# Altium PCB dvrk-s-pwm.PcbDoc (part 2 of 5) (continued)
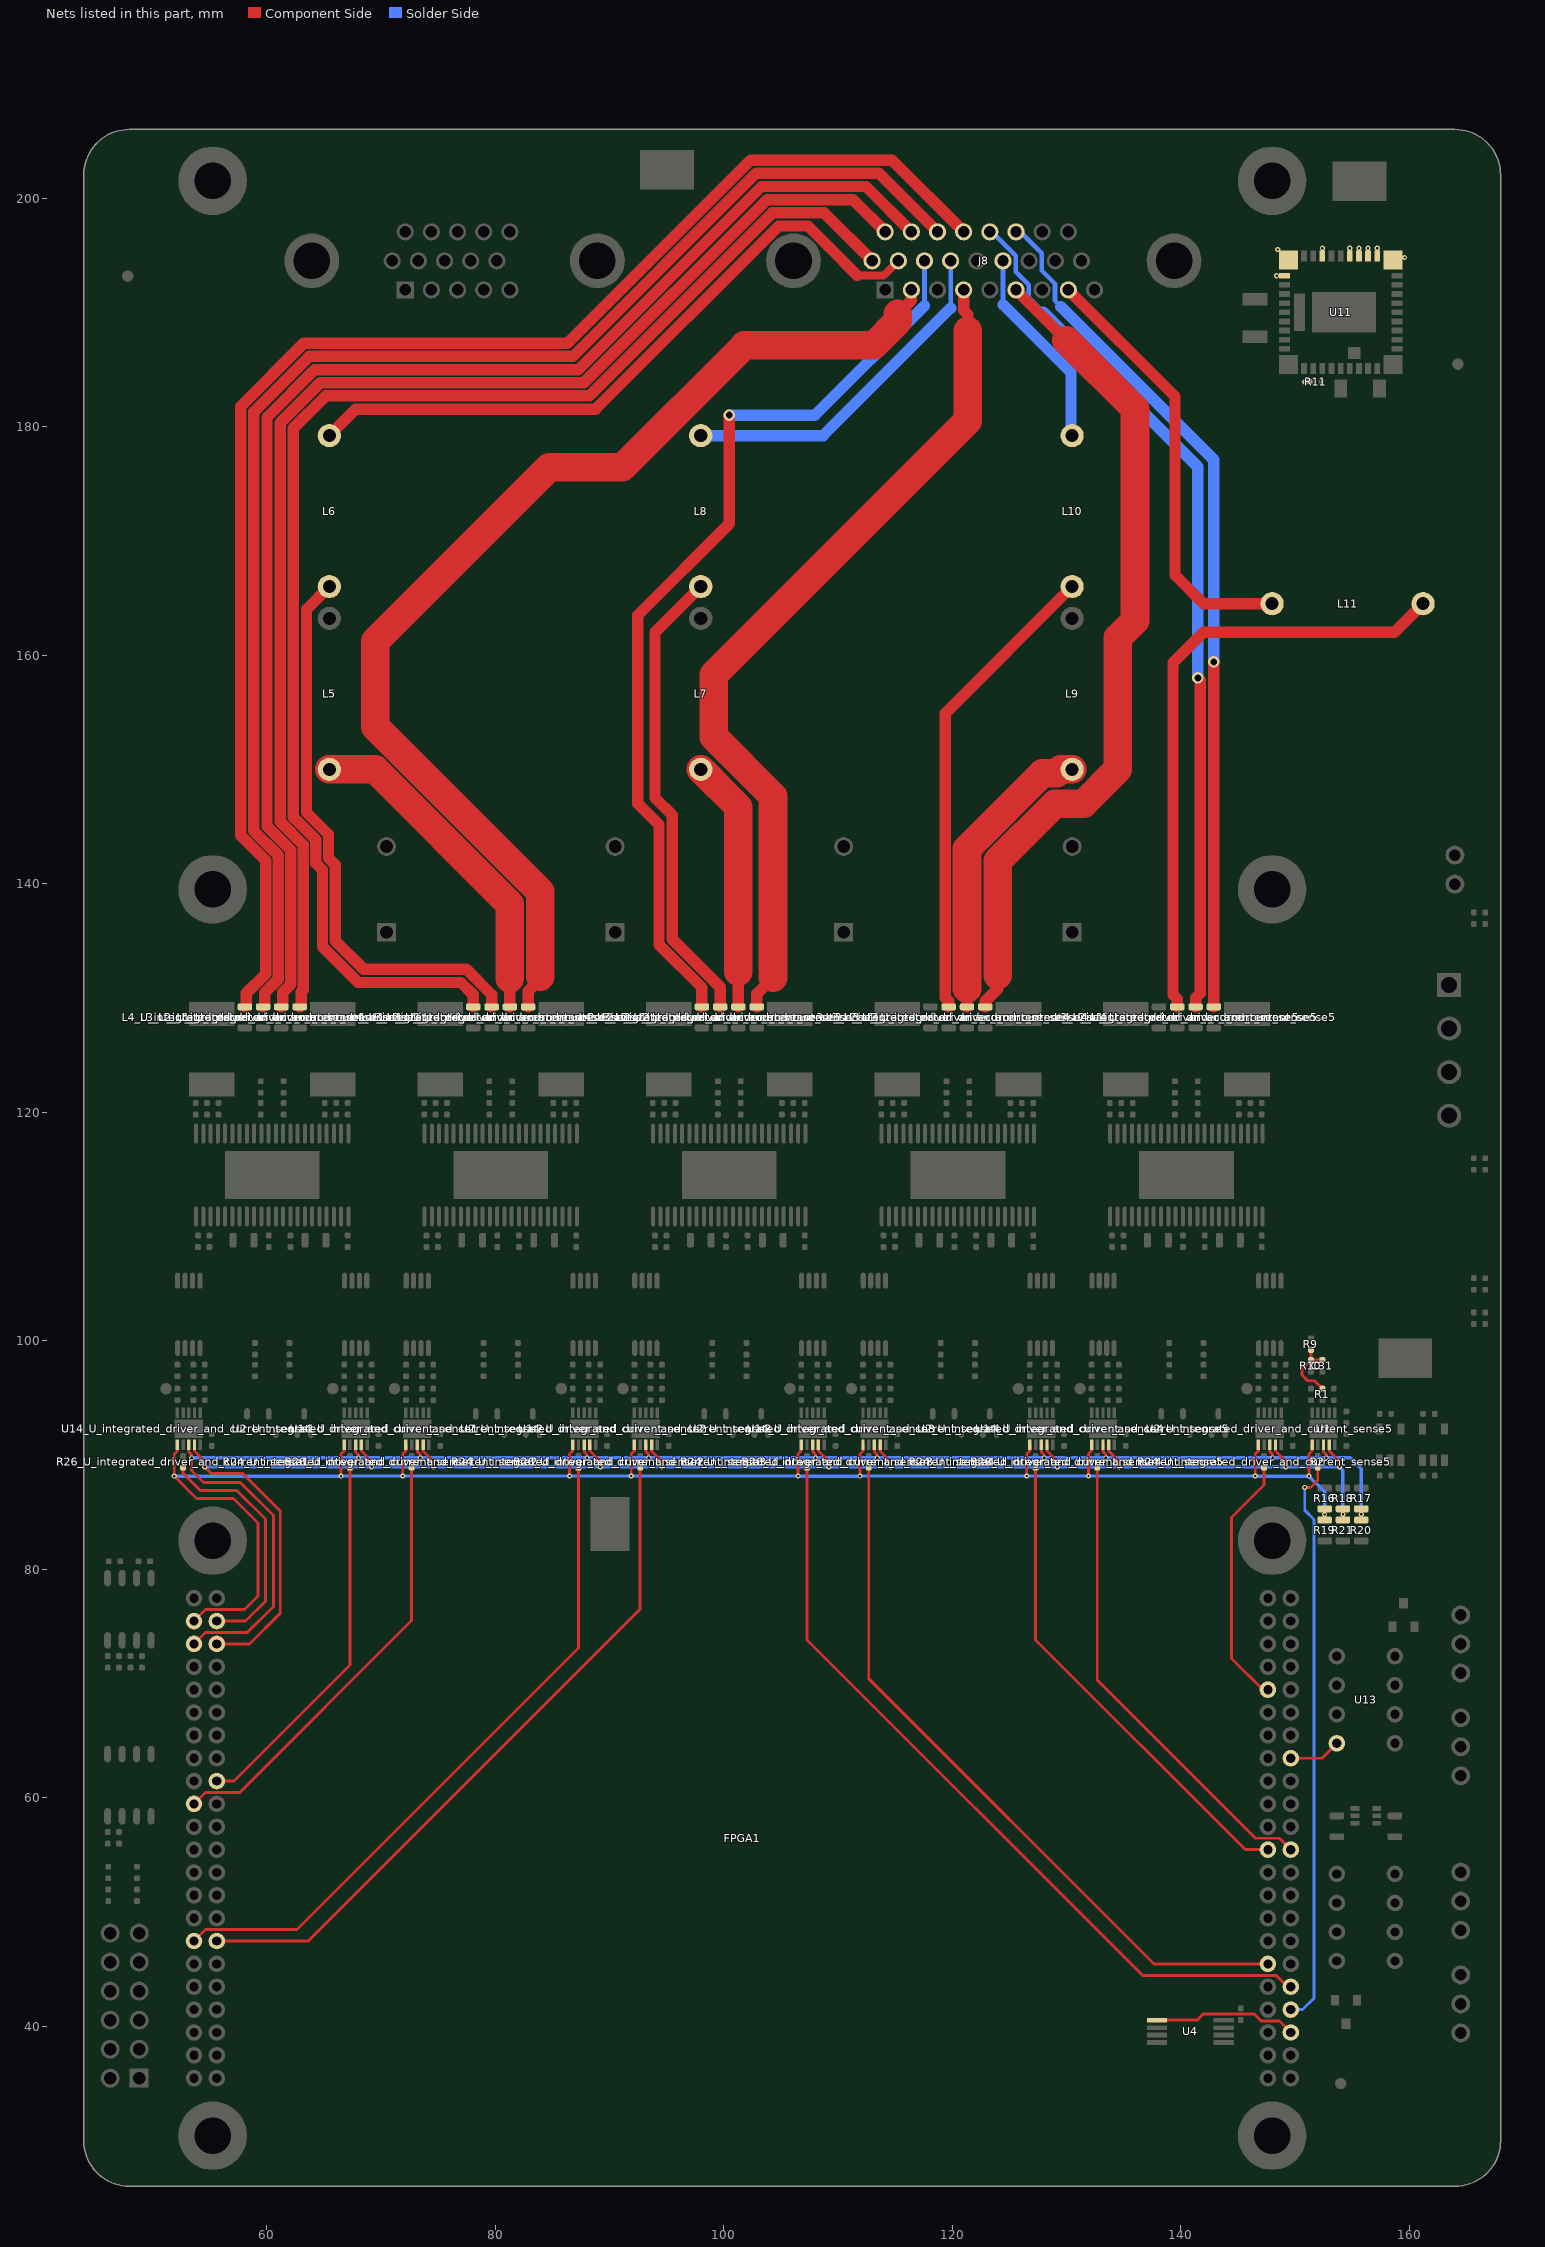
[diagram p4: the nets of this part, all layers, seen from the top]
## Part data (continued)
J8: library part 618026325223, "WR-DSUB Female High Density Angled PCB Connector without Hex Screw, 26p", ComponentLink1Description=Manufacturer, ComponentLink1URL=http://www.we-online.de, ComponentLink2Description=Datasheet, ComponentLink2URL=http://katalog.we-online.de/em/datasheet/6180xx325223.pdf, PartNumber=618026325223, PinNumber=26, Published="June 2016", Publisher="Wurth Elektronik", system=connector
J9: library part 61301221121, "Pin Header WR-PHD, pitch 2.54 mm, THT, Vertical, dual row, 12 pin", Contact Resistance="20 mOhm", Insulation Resistance=">1000 MOhm", Operating Temperature="-40 to 105 degC", Rated Current="3 A", Working Voltage="250 VAC", ComponentLink1Description=Manufacturer, ComponentLink1URL=http://www.we-online.de, ComponentLink2Description=Datasheet, ComponentLink2URL=http://katalog.we-online.de/em/datasheet/6130xx21121.pdf, Mounting Technology=THT, Orientation=Vertical, Part Number=61301221121, Pin Number=12, Pitch="2.54 mm", Published Date="Jan. 2018", Publisher="Wurth Elektronik", Row Number=Dual
L1_U_integrated_driver_and_current_sense1 L1_U_integrated_driver_and_current_sense2 L1_U_integrated_driver_and_current_sense3 L1_U_integrated_driver_and_current_sense4 L1_U_integrated_driver_and_current_sense5 L2_U_integrated_driver_and_current_sense1 L2_U_integrated_driver_and_current_sense2 L2_U_integrated_driver_and_current_sense3 L2_U_integrated_driver_and_current_sense4 L2_U_integrated_driver_and_current_sense5 L3_U_integrated_driver_and_current_sense1 L3_U_integrated_driver_and_current_sense2 L3_U_integrated_driver_and_current_sense3 L3_U_integrated_driver_and_current_sense4 L3_U_integrated_driver_and_current_sense5 L4_U_integrated_driver_and_current_sense1 L4_U_integrated_driver_and_current_sense2 L4_U_integrated_driver_and_current_sense3 L4_U_integrated_driver_and_current_sense4 L4_U_integrated_driver_and_current_sense5: "Inductor", Case/Package=0805, Case Code (Metric)=2012, Current Rating=6A, DC Resistance (DCR)=10mR, Manufacturer=TDK, Manufacturer Part Number=MPZ2012S300AT000, Package Quantity=1, Supplier Part Number 1=445-1566-6-ND, Case Code (Imperial)=0805, ComponentLink1Description=https://datasheet.ciiva.com/46381/1750041-46381644.pdf, ComponentLink1URL=https://datasheet.ciiva.com/46381/1750041-46381644.pdf, ComponentLink2Description=https://datasheet.ciiva.com/48682/beads-commercial-power-mpz-en-48682508.pdf, ComponentLink2URL=https://datasheet.ciiva.com/48682/beads-commercial-power-mpz-en-48682508.pdf, ComponentLink3Description=https://datasheet.ciiva.com/8077/55169-8077085.pdf, ComponentLink3URL=https://datasheet.ciiva.com/8077/55169-8077085.pdf, ComponentLink4Description=https://datasheet.ciiva.com/8077/55169-8077086.pdf, ComponentLink4URL=https://datasheet.ciiva.com/8077/55169-8077086.pdf, ComponentLink5Description=https://datasheet.ciiva.com/46634/beads-commercial-power-mpz-en-46634590.pdf, ComponentLink5URL=https://datasheet.ciiva.com/46634/beads-commercial-power-mpz-en-46634590.pdf, ComponentLink6Description=https://datasheet.ciiva.com/46634/beads-commercial-power-mpz-en-46634367.pdf, ComponentLink6URL=https://datasheet.ciiva.com/46634/beads-commercial-power-mpz-en-46634367.pdf, Core Material=Ferrite, Depth=1.25mm, Height=0.041inch, Impedance=30R, Lead Free="Lead Free", Length=0.079inch, Max DC Current=6A, Mount="Surface Mount", Number of Pins=3, Packaging="Tape and Reel", Pricing 1="1=0.11, 10=0.091, 25=0.0704, 50=0.0584, 100=0.0503, 250=0.04028, 500=0.03624, 1000=0.0302 (USD)", REACH SVHC="No SVHC", Stock 1=117704, Supplier 1=Digi-Key, Width=0.049inch
L5 L6 L7 L8 L9 L10 L11: library part Ind_0805, "Inductor"
Q1: library part MOSFET-N-DUAL6
R1 R23_U_integrated_driver_and_current_sense1 R23_U_integrated_driver_and_current_sense2 R23_U_integrated_driver_and_current_sense3 R23_U_integrated_driver_and_current_sense4 R23_U_integrated_driver_and_current_sense5 R25_U_integrated_driver_and_current_sense1 R25_U_integrated_driver_and_current_sense2 R25_U_integrated_driver_and_current_sense3 R25_U_integrated_driver_and_current_sense4 R25_U_integrated_driver_and_current_sense5: "RES, 0, 5%, 0.063 W, 0402", Manufacturer=Vishay-Dale, Power_W=0.063, Supplier Part Number 1=541-0.0JCT-ND, TempCo="200 ppm/C", Tolerance_%=5, Value1=5%, Value2=0.063W, Value_Code=0000, ValueDisplayed=0, AEC Category=Q200, AEC Qualified=?, ComponentLink1Description="Datasheet link", ComponentLink1URL=http://www.vishay.com/docs/20035/dcrcwe3.pdf, CompType=Resistor, EIA_Code=E24, LatestRevisionDate=2016-07-14, MountType=SMT, PackageReference=0402, PartNumber=CRCW04020000Z0ED, Published=2008-06-26, Publisher="Texas Instruments", Res_ohm=0, RoHS=Y, SizeArea_mm2=0.5, SizeX_mm=1, SizeY_mm=0.5, SizeZ_mm=0.6, Supplier 1=Digi-Key, Supplier 2=Mouser, Supplier 3=Farnell, Supplier Part Number 2=71-CRCW0402-0-E3, Supplier Part Number 3=1469661, SymbolVersion=2009-05-29, Technology="Thick Film", U/M=EA, VDC_V=50
R2 R3_U_integrated_driver_and_current_sense1 R3_U_integrated_driver_and_current_sense2 R3_U_integrated_driver_and_current_sense3 R3_U_integrated_driver_and_current_sense4 R3_U_integrated_driver_and_current_sense5 R4_U_integrated_driver_and_current_sense1 R4_U_integrated_driver_and_current_sense2 R4_U_integrated_driver_and_current_sense3 R4_U_integrated_driver_and_current_sense4 R4_U_integrated_driver_and_current_sense5 R5_U_integrated_driver_and_current_sense1 R5_U_integrated_driver_and_current_sense2 R5_U_integrated_driver_and_current_sense3 R5_U_integrated_driver_and_current_sense4 R5_U_integrated_driver_and_current_sense5 R6 R7 R9 R10 R11 R12 R13 R14 R15 R16 R17 R18 R19 R20 R21 R24_U_integrated_driver_and_current_sense1 R24_U_integrated_driver_and_current_sense2 R24_U_integrated_driver_and_current_sense3 R24_U_integrated_driver_and_current_sense4 R24_U_integrated_driver_and_current_sense5 R26_U_integrated_driver_and_current_sense1 R26_U_integrated_driver_and_current_sense2 R26_U_integrated_driver_and_current_sense3 R26_U_integrated_driver_and_current_sense4 R26_U_integrated_driver_and_current_sense5 R27_U_integrated_driver_and_current_sense1 R27_U_integrated_driver_and_current_sense2 R27_U_integrated_driver_and_current_sense3 R27_U_integrated_driver_and_current_sense4 R27_U_integrated_driver_and_current_sense5 R28_U_integrated_driver_and_current_sense1 R28_U_integrated_driver_and_current_sense2 R28_U_integrated_driver_and_current_sense3 R28_U_integrated_driver_and_current_sense4 R28_U_integrated_driver_and_current_sense5 R29 R30 R31 R32 R33 R34: "Resistor"
R8_U_integrated_driver_and_current_sense1 R8_U_integrated_driver_and_current_sense2 R8_U_integrated_driver_and_current_sense3 R8_U_integrated_driver_and_current_sense4 R8_U_integrated_driver_and_current_sense5 R22_U_integrated_driver_and_current_sense1 R22_U_integrated_driver_and_current_sense2 R22_U_integrated_driver_and_current_sense3 R22_U_integrated_driver_and_current_sense4 R22_U_integrated_driver_and_current_sense5: "RES, 0.005, 1%, 3 W, AEC-Q200 Grade 0, 2512", Manufacturer=Bourns, Power_W=3, Supplier Part Number 1=CRE2512-FZ-R005E-3CT-ND, TempCo="75 ppm/C", Tolerance_%=1, Value1=1%, Value2=3W, Value_Code=5L000, ValueDisplayed=0.005, AEC Category=Q200, AEC Grade=0, AEC Qualified=Y, ComponentLink1Description="Datasheet link", ComponentLink1URL=http://www.bourns.com/docs/Product-Datasheets/CRE.pdf, CompType=Resistor, EIA_Code=E96, LatestRevisionDate=2016-06-02, MountType=SMT, PackageReference=2512, PartNumber=CRE2512-FZ-R005E-3, Published=2008-06-26, Publisher="Texas Instruments", Res_ohm=0.005, RoHS=Y, SizeArea_mm2=21.6075, SizeX_mm=6.45, SizeY_mm=3.35, SizeZ_mm=0.9, Supplier 1=Digi-Key, Supplier 2=Mouser, Supplier 3=Farnell, Supplier Part Number 2=652-CRE2512FZR005E-3, Supplier Part Number 3=2434014, SymbolVersion=2009-05-29, Technology="Metal Film", U/M=EA
TP1 TP2 TP3 TP4: "Test Point, Compact, SMT", Manufacturer=Keystone, Supplier Part Number 1=36-5016TR-ND, ComponentLink1Description="Datasheet URL", ComponentLink1URL=http://www.keyelco.com/userAssets/store/files/5016.PDF, CompType="Test Point Loop", LatestRevisionDate=2016-09-14, MountType=SMT, PackageReference=Testpoint_Keystone_Compact, PartNumber=5016, Publisher="Texas Instruments", RoHS=Y, Supplier 1=Digi-Key, Supplier 2=Mouser, Supplier Part Number 2=534-5016, SymbolVersion=2008-04-04
U1 U2_U_integrated_driver_and_current_sense1 U2_U_integrated_driver_and_current_sense2 U2_U_integrated_driver_and_current_sense3 U2_U_integrated_driver_and_current_sense4 U2_U_integrated_driver_and_current_sense5 U14_U_integrated_driver_and_current_sense1 U14_U_integrated_driver_and_current_sense2 U14_U_integrated_driver_and_current_sense3 U14_U_integrated_driver_and_current_sense4 U14_U_integrated_driver_and_current_sense5: "16-Bit, 2 MSPS/1 MSPS/500 kSPS, / Precision, Pseudo Differential, SAR ADCs", RefDes=RefDes, Type=Type
U3_U_integrated_driver_and_current_sense1 U3_U_integrated_driver_and_current_sense2 U3_U_integrated_driver_and_current_sense3 U3_U_integrated_driver_and_current_sense4 U3_U_integrated_driver_and_current_sense5: "Dual Full-Bridge PWM Motor Driver", Manufacturer="Texas Instruments", Built_By=EMA_UL_Team, Manufacturer_Part_Number=DRV8412DDW, RefDes=RefDes, Type=DEV, Vendor="Texas Instruments"
U5: "lvds rx", Case/Package=SOIC, Manufacturer="Texas Instruments", Manufacturer Part Number=SN65LVDS34DR, Max Input Current=75uA, Max Operating Temperature=85°C, Max Power Dissipation=950mW, Max Supply Voltage=3.6V, Min Operating Temperature=-40°C, Min Supply Voltage=3V, Nominal Supply Current=12mA, Operating Supply Voltage=3.3V, Package Quantity=2500, Supplier Part Number 1=296-39187-1-ND, ComponentLink1Description=https://datasheet.ciiva.com/1770/sn65lvdt33-1770664.pdf, ComponentLink1URL=https://datasheet.ciiva.com/1770/sn65lvdt33-1770664.pdf, ComponentLink2Description=https://datasheet.ciiva.com/3152/sn65lvds33-3152872.pdf, ComponentLink2URL=https://datasheet.ciiva.com/3152/sn65lvds33-3152872.pdf, Contact Plating=Gold, Data Rate=400Mbps, Lead Free="Lead Free", Logic Function=Receiver, Mount="Surface Mount", Number of Drivers=4, Number of Elements=4, Number of Pins=8, Number of Receivers=4, Packaging="Tape and Reel", Power Dissipation=950mW, Pricing 1="1=2.27, 10=2.042, 100=1.641, 500=1.34828, 1000=1.11714 (USD)", Propagation Delay=9ns, Receiver Hysteresis=50mV, Stock 1=3654, Supplier 1=Digi-Key, Turn-On Delay Time=9ns, Weight=0.002561oz
U7: "lvds tx", Case/Package=SOIC, Manufacturer=Maxim, Manufacturer Part Number=MAX9112ESA+, Max Operating Temperature=85°C, Max Power Dissipation=471mW, Max Supply Current=13mA, Max Supply Voltage=3.6V, Min Operating Temperature=-40°C, Min Supply Voltage=3V, Operating Supply Current=9.4mA, Operating Supply Voltage=3.3V, Package Quantity=100, Supplier Part Number 1=MAX9112ESA+-ND, ComponentLink1Description=https://datasheet.ciiva.com/1767/max9110-max9112-1767125.pdf, ComponentLink1URL=https://datasheet.ciiva.com/1767/max9110-max9112-1767125.pdf, ComponentLink2Description=https://datasheet.ciiva.com/4782/max9110-max9112-108570-4782517.pdf, ComponentLink2URL=https://datasheet.ciiva.com/4782/max9110-max9112-108570-4782517.pdf, ComponentLink3Description=https://datasheet.ciiva.com/16616/max9110-max9112-16616956.pdf, ComponentLink3URL=https://datasheet.ciiva.com/16616/max9110-max9112-16616956.pdf, ComponentLink4Description=https://datasheet.ciiva.com/26835/max9112esa-26835143.pdf, ComponentLink4URL=https://datasheet.ciiva.com/26835/max9112esa-26835143.pdf, Data Rate=500Mbps, Height=1.5mm, Lead Free="Lead Free", Length=5mm, Mount="Surface Mount", Number of Drivers=2, Number of Pins=8, Packaging=Rail/Tube, Pricing 1="1=6.62, 10=6.289, 25=5.19, 50=4.9306, 250=4.77852, 500=4.31368 (USD)", Propagation Delay=1.58ns, Radiation Hardening=No, REACH SVHC=Unknown, Stock 1=183, Supplier 1=Digi-Key, Turn-On Delay Time=2.5ns, Weight=0.01787oz, Width=4mm
U8_U_integrated_driver_and_current_sense1 U8_U_integrated_driver_and_current_sense2 U8_U_integrated_driver_and_current_sense3 U8_U_integrated_driver_and_current_sense4 U8_U_integrated_driver_and_current_sense5 U15_U_integrated_driver_and_current_sense1 U15_U_integrated_driver_and_current_sense2 U15_U_integrated_driver_and_current_sense3 U15_U_integrated_driver_and_current_sense4 U15_U_integrated_driver_and_current_sense5: "Wide Common-Mode Range, Voltage Output, High or Low-Side Bi-Directional Zero-Drift Current Shunt Monitor, PW0008A", Alternate Manufacturer="Texas Instruments", ComponentLink1Description="Datasheet Link", ComponentLink1URL="https://sps06.itg.ti.com/sites/KMS/crossdivteams/altium/docs/ComponentDatasheets/INA240 Prelim DS - 9-15-15.pdf", CompType=IC, LatestRevisionDate=2016-03-14, Manufacturer="Texas Instruments", MountType=SMT, PackageReference=PW0008A, PartNumber=INA240A1PW, Publisher="Texas Instruments", SymbolCreator=Altium, SymbolVersion=2016-01-07, U/M=EA
U9 U10: "ULTRA LOW-NOISE, 250-mA LINEAR REGULATOR FOR RF AND ANALOG CIRCUITS REQUIRES NO BYPASS CAPACITOR, DBV0005A", Alternate Manufacturer="Texas Instruments", ComponentLink1Description="Datasheet Link", ComponentLink1URL=http://www.ti.com/lit/ds/symlink/lp5907.pdf, CompType=IC, LatestRevisionDate=2016-09-20, Manufacturer="Texas Instruments", MountType=SMT, PackageDescription=SOT-5, PackageReference=DBV0005A, PartNumber=LP5907MFX-3.3/NOPB, Publisher="Texas Instruments", RoHS=Y, SizeArea_mm2=8.12, SizeAreaWB_mm2=14.82, SizeX_mm=2.8, SizeY_mm=2.9, SizeZ_mm=1.45, SymbolCreator=a0799628, SymbolVersion=2014-03-21, U/M=EA
U11: "SIMPLE SWITCHER 4.5-V to 42-V Input, 2-A Power Module, RVQ00043A (B3QFN-43)", Alternate Manufacturer="Texas Instruments", Case/Package=QFN, Manufacturer Part Number=LMZ34202RVQT, Max Input Voltage=42V, Max Operating Temperature=105°C, Max Output Current=2A, Min Input Voltage=4.5V, Min Operating Temperature=-40°C, Supplier Part Number 1=296-44384-1-ND, Voltage - Output 1=7.5V, ComponentLink1Description="Datasheet Link", ComponentLink1URL=https://sps06.itg.ti.com/sites/KMS/crossdivteams/altium/docs/ComponentDatasheets/lmz34202word.pdf, ComponentLink2Description=http://www.ti.com/lit/ds/symlink/lmz34202.pdf, ComponentLink2URL=http://www.ti.com/lit/ds/symlink/lmz34202.pdf, ComponentLink3Description=http://www.ti.com/general/docs/lit/getliterature.tsp?genericPartNumber=LMZ34202&&fileType=pdf, ComponentLink3URL=http://www.ti.com/general/docs/lit/getliterature.tsp?genericPartNumber=LMZ34202&&fileType=pdf, CompType=IC, Efficiency=92%, Features=UVLO, Height=0.17inch, LatestRevisionDate=2016-12-29, Lead Free="Lead Free", Length=0.39inch, Manufacturer="Texas Instruments", Mount="Surface Mount", MountType=SMT, Number of Outputs=1, Number of Pins=43, PackageDescription=B3QFN-43, PackageReference=RVQ0043A, Packaging="Cut Tape", PartNumber=LMZ34202RVQ, Pricing 1="1=8.39, 5=8.27, 10=8.151, 25=7.9112, 50=7.6714, 100=7.4317 (USD)", Publisher="Texas Instruments", REACH SVHC="No SVHC", SizeArea_mm2=100, SizeAreaWB_mm2=144, SizeX_mm=10, SizeY_mm=10, SizeZ_mm=4.4, Stock 1=1340, Supplier 1=Digi-Key, SymbolCreator=Altium, SymbolVersion=2015-09-17, U/M=EA, Width=0.39inch

## Free pads (board coordinates)
  round 1 smd: 0(51.2,95.8) 0(65.8,95.8) 0(71.2,95.8) 0(85.8,95.8) 0(91.2,95.8) 0(105.8,95.8) 0(111.2,95.8) 0(125.8,95.8) 0(131.2,95.8) 0(145.8,95.8)
  oval 0.5x1 smd: 0(58.3,93.6) 0(60.2,93.6) 0(60.8,92) 0(62.7,92) 0(63.3,93.6) 0(63.9,92) 0(78.3,93.6) 0(80.2,93.6) 0(80.8,92) 0(82.7,92) 0(83.3,93.6) 0(83.9,92) 0(98.3,93.6) 0(100.2,93.6) 0(100.8,92) 0(102.7,92) 0(103.3,93.6) 0(103.9,92) 0(118.3,93.6) 0(120.2,93.6) 0(120.8,92) 0(122.7,92) 0(123.3,93.6) 0(123.9,92) 0(138.3,93.6) 0(140.2,93.6) 0(140.8,92) 0(142.7,92) 0(143.3,93.6) 0(143.9,92)
  round 6 hole 3.2: M(55.29,30.43) M(55.29,82.5) M(55.29,139.5) M(55.29,201.5) M(148,30.43) M(148,82.5) M(148,139.5) M(148,201.5)

## Via types
v1: diameter 0.45, hole 0.2, Component Side to Solder Side, tented both sides, 535 vias
v2: diameter 0.5, hole 0.2, Component Side to Solder Side, 186 vias
v3: diameter 1, hole 0.6, Component Side to Solder Side, tented both sides, 34 vias
v4: diameter 0.6, hole 0.3, Component Side to Solder Side, tented both sides, 3 vias

## Nets (pads, with @x,y where several pads share a name; then routed paths per layer and width w, separated by ;. In a path a pad name is that pad's centre, name@x,y a point inside that pad or via, vN(x,y) a via of type N, cw(c..) or ccw(c..) an arc to the next point about the centre after c; other vN are vias at no path point)
/BRAKE1: J8.20 L2_U_integrated_driver_and_current_sense1.2 | length 119.2
  Component Side w1: L2_U_integrated_driver_and_current_sense1.2@61.3,129.214 61.435,129.349 61.435,130.488 62.125,131.178 62.125,142.936 60.044,145.017 60.044,180.802 64.223,184.981 87.293,184.981 103.32,201.008 112.462,201.008 J8.20@116.43,197.04
/BRAKE2: J8.22 L4_U_integrated_driver_and_current_sense1.2 | length 129
  Component Side w1: L4_U_integrated_driver_and_current_sense1.2@58.1,129.214 58.235,129.349 58.235,130.399 59.925,132.089 59.925,142.025 57.74,144.21 57.74,181.757 63.268,187.285 86.339,187.285 102.366,203.312 114.738,203.312 J8.22@121.01,197.04
/BRAKE3: J8.24 L1_U_integrated_driver_and_current_sense5.2 | length 75.2
  Component Side w1: L1_U_integrated_driver_and_current_sense5.2@142.9,129.214 v3(142.9,159.4)
  Solder Side w0.4: J8.24@125.59,197.04 125.96,197.04 127.842,195.158 127.842,193.658 129,192.5 129,191 129.5,190.5
  Solder Side w1: 129.5,190.5 142.9,177.1 v3(142.9,159.4)
/CS_EEPROM: FPGA1.6 U4.1 | length 12.6
  Component Side w0.25: U4.1@137.934,40.54 141.43,40.54 141.955,41.065 146.455,41.065 147.055,40.465 148.635,40.465 FPGA1.6@149.635,39.465
/MOTOR1: J8.2 L1_U_integrated_driver_and_current_sense2.2 | length 99
  Component Side w1: L1_U_integrated_driver_and_current_sense2.2@82.9,129.214 82.9,130.61 83.952,131.662 83.952,131.875 ; 115.25,189.85 116.43,191.03 J8.2@116.43,191.96
  Component Side w2.5: 83.952,131.875 83.952,139.298 69.525,153.725 69.525,161.2 84.75,176.425 91.15,176.425 101.823,187.098 113.148,187.098 115.25,189.2 115.25,189.85
/MOTOR2: J8.4 L1_U_integrated_driver_and_current_sense3.2 | length 74.9
  Component Side w1: L1_U_integrated_driver_and_current_sense3.2@102.9,129.214 102.9,130.35 104.325,131.775 ; J8.4@121.01,191.96 121.01,190.165 121.372,189.803 121.372,188.372
  Component Side w2.5: 104.325,131.775 104.325,147.65 99.125,152.85 99.125,158.275 121.372,180.522 121.372,188.372
/MOTOR3: J8.6 L1_U_integrated_driver_and_current_sense4.2 | length 73.9
  Component Side w1: L1_U_integrated_driver_and_current_sense4.2@122.9,129.214 122.9,129.71 124,130.81 124,132 ; J8.6@125.59,191.96 130,187.55
  Component Side w2.5: 124,132 124,142 129,147 131.5,147 134.5,150 134.5,161.5 136,163 136,181.55 130,187.55
/MOTOR4: J8.8 L11.2 | length 38.4
  Component Side w1: J8.8@130.17,191.96 139.5,182.63 139.5,167 142,164.5 L11.2@148,164.5
/MOTOR5: J8.11 L6.2 | length 59.7
  Component Side w0.7: 111.7,193.225 114.015,193.225 J8.11@115.29,194.5
  Component Side w1: L6.2@65.5,179.208 67.817,181.525 88.8,181.525 104.827,197.552 107.384,197.552 109.172,195.764 109.172,195.753 111.7,193.225
/MOTOR6: J8.13 L8.2 | length 30.6
  Solder Side w0.4: 119.865,190.365 119.865,194.495 J8.13@119.87,194.5
  Solder Side w1: L8.2@98,179.208 108.708,179.208 119.865,190.365
/MOTOR7: J8.15 L10.2 | length 17.8
  Solder Side w0.4: 124.45,190.675 J8.15@124.45,194.5
  Solder Side w1: 124.45,190.675 130.4,184.725 130.4,179.308 L10.2@130.5,179.208
/RELAY: FPGA1.30 U13.4 | length 4.6
  Component Side w0.25: FPGA1.30@149.635,63.465 152.365,63.465 U13.4@153.67,64.77
ADC_CNV: FPGA1.85 R16.1 R19.2 U1.6 U2_U_integrated_driver_and_current_sense1.6 U2_U_integrated_driver_and_current_sense2.6 U2_U_integrated_driver_and_current_sense3.6 U2_U_integrated_driver_and_current_sense4.6 U2_U_integrated_driver_and_current_sense5.6 U14_U_integrated_driver_and_current_sense1.6 U14_U_integrated_driver_and_current_sense2.6 U14_U_integrated_driver_and_current_sense3.6 U14_U_integrated_driver_and_current_sense4.6 U14_U_integrated_driver_and_current_sense5.6 | length 156.6
  Component Side w0.25: U14_U_integrated_driver_and_current_sense1.6@52.2,90.898 52.2,90.357 51.925,90.082 v1(51.925,88.15) 53.875,86.2 57.1,86.2 59.255,84.045 59.255,77.655 58.065,76.465 54.655,76.465 FPGA1.85@53.655,75.465 ; v1(66.525,88.15) 66.525,90.082 66.8,90.357 U2_U_integrated_driver_and_current_sense1.6@66.8,90.898 ; v1(71.925,88.158) 71.925,90.09 72.2,90.365 U14_U_integrated_driver_and_current_sense2.6@72.2,90.906 ; v1(86.525,88.158) 86.525,90.09 86.8,90.365 U2_U_integrated_driver_and_current_sense2.6@86.8,90.906 ; v1(91.925,88.158) 91.925,90.09 92.2,90.365 U14_U_integrated_driver_and_current_sense3.6@92.2,90.906 ; v1(106.525,88.158) 106.525,90.09 106.8,90.365 U2_U_integrated_driver_and_current_sense3.6@106.8,90.906 ; v1(111.925,88.15) 111.925,90.082 112.2,90.357 U14_U_integrated_driver_and_current_sense4.6@112.2,90.898 ; v1(126.525,88.158) 126.525,90.09 126.8,90.365 U2_U_integrated_driver_and_current_sense4.6@126.8,90.906 ; v1(131.925,88.158) 131.925,90.09 132.2,90.365 U14_U_integrated_driver_and_current_sense5.6@132.2,90.906 ; v1(146.525,88.158) 146.525,90.09 146.8,90.365 U2_U_integrated_driver_and_current_sense5.6@146.8,90.906 ; v1(151.225,88.15) 151.225,90.082 151.5,90.357 U1.6@151.5,90.898
  Solder Side w0.3: v1(51.925,88.15) v1(66.525,88.15) 66.533,88.158 v1(71.925,88.158) v1(86.525,88.158) v1(91.925,88.158) v1(106.525,88.158) 106.533,88.15 v1(111.925,88.15) 111.933,88.158 v1(126.525,88.158) v1(131.925,88.158) v1(146.525,88.158) 146.533,88.15 v1(151.225,88.15) 152.6,86.775 v1(152.6,84.8)
ADC_CUR_SDO1_1: FPGA1.72 R24_U_integrated_driver_and_current_sense1.1 | length 33.1
  Component Side w0.25: FPGA1.72@55.655,61.465 57.155,61.465 67.3,71.61 R24_U_integrated_driver_and_current_sense1.1@67.3,88.892
ADC_CUR_SDO1_2: FPGA1.57 R24_U_integrated_driver_and_current_sense2.1 | length 60
  Component Side w0.25: FPGA1.57@53.655,47.465 54.655,48.465 62.655,48.465 87.3,73.11 R24_U_integrated_driver_and_current_sense2.1@87.3,88.892
ADC_CUR_SDO1_3: FPGA1.10 R24_U_integrated_driver_and_current_sense3.1 | length 70
  Component Side w0.25: R24_U_integrated_driver_and_current_sense3.1@107.3,88.892 107.3,73.82 136.655,44.465 148.355,44.465 149.355,43.465 FPGA1.10@149.635,43.465
ADC_CUR_SDO1_4: FPGA1.21 R24_U_integrated_driver_and_current_sense4.1 | length 43
  Component Side w0.25: R24_U_integrated_driver_and_current_sense4.1@127.3,88.892 127.3,73.82 145.655,55.465 FPGA1.21@147.635,55.465
ADC_CUR_SDO1_5: FPGA1.35 R24_U_integrated_driver_and_current_sense5.1 | length 22.2
  Component Side w0.25: R24_U_integrated_driver_and_current_sense5.1@147.3,88.892 147.3,87.385 144.455,84.54 144.455,72.19 147.18,69.465 FPGA1.35@147.635,69.465
ADC_CUR_SDO2_1: FPGA1.86 R26_U_integrated_driver_and_current_sense1.1 | length 21.5
  Component Side w0.25: R26_U_integrated_driver_and_current_sense1.1@52.7,88.892 52.7,88.4 54.2,86.9 57.4,86.9 59.9,84.4 59.9,77.2 58.165,75.465 FPGA1.86@55.655,75.465
ADC_CUR_SDO2_2: FPGA1.69 R26_U_integrated_driver_and_current_sense2.1 | length 39.1
  Component Side w0.25: FPGA1.69@53.655,59.465 54.655,60.465 57.655,60.465 72.7,75.51 R26_U_integrated_driver_and_current_sense2.1@72.7,88.892
ADC_CUR_SDO2_3: FPGA1.58 R26_U_integrated_driver_and_current_sense3.1 | length 61.5
  Component Side w0.25: FPGA1.58@55.655,47.465 63.655,47.465 92.7,76.51 R26_U_integrated_driver_and_current_sense3.1@92.7,88.892
ADC_CUR_SDO2_4: FPGA1.11 R26_U_integrated_driver_and_current_sense4.1 | length 63.7
  Component Side w0.25: R26_U_integrated_driver_and_current_sense4.1@112.7,88.892 112.7,70.42 137.655,45.465 FPGA1.11@147.635,45.465
ADC_CUR_SDO2_5: FPGA1.22 R26_U_integrated_driver_and_current_sense5.1 | length 41.7
  Component Side w0.25: R26_U_integrated_driver_and_current_sense5.1@132.7,88.892 132.7,70.32 146.555,56.465 148.635,56.465 FPGA1.22@149.635,55.465
ADC_IN: C31.2 R1.2 R9.1 R10.2 | length 5.8
  Component Side w0.25: R9.1@151.4,99.192 R10.2@151.4,98.308 ; R1.2@152.4,95.808 151.708,96.5 151.125,96.5 150.625,97 150.625,97.533 R10.2@151.4,98.308 ; C31.2@152.4,98.308 R10.2@151.4,98.308
ADC_MV_SDO: FPGA1.8 R2.1 | length 50
  Component Side w0.25: v1(150.855,87.165) 151.355,87.165 152,87.81 R2.1@152,88.892
  Solder Side w0.25: FPGA1.8@149.635,41.465 150.655,41.465 151.655,42.465 151.655,84.365 150.855,85.165 v1(150.855,87.165)
ADC_SCK: FPGA1.83 R17.1 R20.2 U1.8 U2_U_integrated_driver_and_current_sense1.8 U2_U_integrated_driver_and_current_sense2.8 U2_U_integrated_driver_and_current_sense3.8 U2_U_integrated_driver_and_current_sense4.8 U2_U_integrated_driver_and_current_sense5.8 U14_U_integrated_driver_and_current_sense1.8 U14_U_integrated_driver_and_current_sense2.8 U14_U_integrated_driver_and_current_sense3.8 U14_U_integrated_driver_and_current_sense4.8 U14_U_integrated_driver_and_current_sense5.8 | length 146.7
  Component Side w0.25: U14_U_integrated_driver_and_current_sense1.8@53.2,90.898 53.2,90.275 53.45,90.025 v1(53.45,89.75) 53.45,88.65 54.5,87.6 57.7,87.6 60.6,84.7 60.6,76.75 58.315,74.465 54.655,74.465 FPGA1.83@53.655,73.465 ; U2_U_integrated_driver_and_current_sense1.8@67.8,90.898 67.8,90.275 68.05,90.025 v1(68.05,89.75) ; U14_U_integrated_driver_and_current_sense2.8@73.2,90.906 73.2,90.283 73.45,90.033 v1(73.45,89.75) ; U2_U_integrated_driver_and_current_sense2.8@87.8,90.906 87.8,90.283 88.05,90.033 v1(88.05,89.75) ; U14_U_integrated_driver_and_current_sense3.8@93.2,90.906 93.2,90.283 93.45,90.033 v1(93.45,89.75) ; U2_U_integrated_driver_and_current_sense3.8@107.8,90.906 107.8,90.283 108.05,90.033 v1(108.05,89.75) ; U14_U_integrated_driver_and_current_sense4.8@113.2,90.898 113.2,90.275 113.45,90.025 v1(113.45,89.75) ; U2_U_integrated_driver_and_current_sense4.8@127.8,90.906 127.8,90.283 128.05,90.033 v1(128.05,89.75) ; U14_U_integrated_driver_and_current_sense5.8@133.2,90.906 133.2,90.283 133.45,90.033 v1(133.45,89.75) ; U2_U_integrated_driver_and_current_sense5.8@147.8,90.906 147.8,90.283 148.05,90.033 v1(148.05,89.75) ; U1.8@152.5,90.898 152.5,90.275 152.75,90.025 v1(152.75,89.75)
  Solder Side w0.3: v1(53.45,89.75) v1(68.05,89.75) v1(73.45,89.75) v1(88.05,89.75) v1(93.45,89.75) v1(108.05,89.75) v1(113.45,89.75) v1(128.05,89.75) v1(133.45,89.75) v1(148.05,89.75) v1(152.75,89.75) 154.85,89.75 155.8,88.8 v1(155.8,84.803)
ADC_SDI: FPGA1.84 R18.1 R21.2 U1.9 U2_U_integrated_driver_and_current_sense1.9 U2_U_integrated_driver_and_current_sense2.9 U2_U_integrated_driver_and_current_sense3.9 U2_U_integrated_driver_and_current_sense4.9 U2_U_integrated_driver_and_current_sense5.9 U14_U_integrated_driver_and_current_sense1.9 U14_U_integrated_driver_and_current_sense2.9 U14_U_integrated_driver_and_current_sense3.9 U14_U_integrated_driver_and_current_sense4.9 U14_U_integrated_driver_and_current_sense5.9 | length 152.9
  Component Side w0.25: U14_U_integrated_driver_and_current_sense1.9@53.7,90.898 53.7,90.344 54.6,89.444 v1(54.6,88.95) 55.15,88.4 57.9,88.4 61.2,85.1 61.2,76.15 58.515,73.465 FPGA1.84@55.655,73.465 ; U2_U_integrated_driver_and_current_sense1.9@68.3,90.898 68.3,90.344 69.2,89.444 v1(69.2,88.95) ; U14_U_integrated_driver_and_current_sense2.9@73.7,90.906 73.7,90.352 74.6,89.452 v1(74.6,88.958) ; U2_U_integrated_driver_and_current_sense2.9@88.3,90.906 88.3,90.352 89.2,89.452 v1(89.2,88.958) ; U14_U_integrated_driver_and_current_sense3.9@93.7,90.906 93.7,90.352 94.6,89.452 v1(94.6,88.958) ; U2_U_integrated_driver_and_current_sense3.9@108.3,90.906 108.3,90.352 109.2,89.452 v1(109.2,88.958) ; U14_U_integrated_driver_and_current_sense4.9@113.7,90.898 113.7,90.344 114.6,89.444 v1(114.6,88.95) ; U2_U_integrated_driver_and_current_sense4.9@128.3,90.906 128.3,90.352 129.2,89.452 v1(129.2,88.958) ; U14_U_integrated_driver_and_current_sense5.9@133.7,90.906 133.7,90.352 134.6,89.452 v1(134.6,88.958) ; U2_U_integrated_driver_and_current_sense5.9@148.3,90.906 148.3,90.352 149.2,89.452 v1(149.2,88.958) ; U1.9@153,90.898 153,90.344 153.9,89.444 v1(153.9,88.95)
  Solder Side w0.3: v1(54.6,88.95) 54.608,88.958 v1(74.6,88.958) v1(89.2,88.958) v1(94.6,88.958) v1(109.2,88.958) 109.208,88.95 v1(114.6,88.95) 114.608,88.958 v1(129.2,88.958) v1(134.6,88.958) v1(149.2,88.958) 149.208,88.95 v1(153.9,88.95) 154.2,88.65 v1(154.2,84.803)
AGND_PS_PSM: R11.2 U11.1 U11.2 U11.3 U11.4 U11.5 U11.8 U11.11 U11.12
  other v1: 150.85,183.9 148.4,193.2 159.6,194.8 148.5,195.5 152.4,195.6 154.8,195.6 155.6,195.6 156.4,195.6 157.2,195.6
BRAKE1: J8.19 L1_U_integrated_driver_and_current_sense1.2 | length 114.3
  Component Side w1: L1_U_integrated_driver_and_current_sense1.2@62.9,129.214 63.035,129.349 63.035,130.532 63.225,130.722 63.225,143.392 61.196,145.421 61.196,180.325 64.7,183.829 87.771,183.829 103.798,199.856 111.324,199.856 J8.19@114.14,197.04
BRAKE2: J8.21 L3_U_integrated_driver_and_current_sense1.2 | length 124.1
  Component Side w1: L3_U_integrated_driver_and_current_sense1.2@59.7,129.214 59.835,129.349 59.835,130.444 61.025,131.634 61.025,142.481 58.892,144.614 58.892,181.28 63.745,186.133 86.816,186.133 102.843,202.16 113.6,202.16 J8.21@118.72,197.04
BRAKE3: J8.23 L2_U_integrated_driver_and_current_sense5.2 | length 75.7
  Component Side w1: L2_U_integrated_driver_and_current_sense5.2@141.3,129.214 141.3,130 141.7,130.4 141.7,157.8 v3(141.5,158)
  Solder Side w0.4: J8.23@123.3,197.04 123.468,197.04 125.552,194.956 125.552,193.556 126.692,192.416 126.692,191.282 127.974,190
  Solder Side w1: 127.974,190 141.5,176.474 v3(141.5,158)
COIL1_N2: L2_U_integrated_driver_and_current_sense2.2 L5.1 | length 29.7
  Component Side w1: L2_U_integrated_driver_and_current_sense2.2@81.3,129.214 81.3,131.7
  Component Side w2.5: L5.1@65.5,150 69.5,150 81.3,138.2 81.3,131.7
COIL1_N3: L2_U_integrated_driver_and_current_sense3.2 L7.1 | length 22.2
  Component Side w1: L2_U_integrated_driver_and_current_sense3.2@101.3,129.214 101.3,132.3
  Component Side w2.5: L7.1@98,150 101.3,146.7 101.3,132.3
COIL1_N4: L2_U_integrated_driver_and_current_sense4.2 L9.1 | length 25.9
  Component Side w1: L2_U_integrated_driver_and_current_sense4.2@121.3,129.214 121.3,130.8
  Component Side w2.5: 121.3,130.8 121.3,143.05 127.902,149.652 129.152,149.652 129.5,150 L9.1@130.5,150
COIL2_N2: L3_U_integrated_driver_and_current_sense2.2 L6.1 | length 49.6
  Component Side w1: L6.1@65.5,166 63.5,164 63.5,146.228 65.425,144.303 65.425,142.234 66,141.659 66,135 68.5,132.5 77.5,132.5 79.7,130.3 L3_U_integrated_driver_and_current_sense2.2@79.7,129.214
COIL2_N3: L3_U_integrated_driver_and_current_sense3.2 L8.1 | length 40.8
  Component Side w1: L8.1@98,166 94,162 94,147.5 95.5,146 95.5,135.129 99.7,130.929 L3_U_integrated_driver_and_current_sense3.2@99.7,129.214
COIL2_N4: L3_U_integrated_driver_and_current_sense4.2 L10.1 | length 41.5
  Component Side w1: L3_U_integrated_driver_and_current_sense4.2@119.7,129.214 119.7,129.71 119.398,130.012 119.398,154.898 L10.1@130.5,166
COIL2_N5: L3_U_integrated_driver_and_current_sense5.2 L11.1 | length 54.3
  Component Side w1: L3_U_integrated_driver_and_current_sense5.2@139.7,129.214 139.7,129.9 139.325,130.275 139.325,159.325 142,162 158.708,162 L11.1@161.208,164.5
COIL2_P2: J8.10 L4_U_integrated_driver_and_current_sense2.2 | length 122.6
  Component Side w1: L4_U_integrated_driver_and_current_sense2.2@78.1,129.214 78.1,130.271 77.023,131.348 68.023,131.348 64.9,134.471 64.9,141.204 64.325,141.779 64.325,143.848 62.348,145.825 62.348,179.848 65.177,182.677 88.248,182.677 104.275,198.704 108.796,198.704 J8.10@113,194.5
COIL2_P3: J8.12 L4_U_integrated_driver_and_current_sense3.2 | length 82.4
  Component Side w1: L4_U_integrated_driver_and_current_sense3.2@98.1,129.214 98.1,130.9 94.348,134.652 94.348,145.152 92.5,147 92.5,163.5 100.5,171.5 v3(100.5,181)
  Solder Side w0.4: 117.58,190.58 J8.12@117.58,194.5
  Solder Side w1: v3(100.5,181) 108,181 117.58,190.58